# Altium PCB DRS4-PCB.PcbDoc (part 5 of 15)
Units mil, origin at the board's own origin, x right, y up, seen from the top; angles counter-clockwise.
Board outline 12350 x 7411.06 mil, 12 copper layers (Top Layer, Ground Layer 2, Signal Layer 3, Signal Layer 4, Ground Layer 5, Power Layer 6, Ground Layer 7, Ground Layer 8, Power Layer 9, Power Layer 10, Ground Layer 11, Bottom Layer), stack 61.6 mil thick; 1411 components, 1117 nets, 4255 pads, 2550 vias.
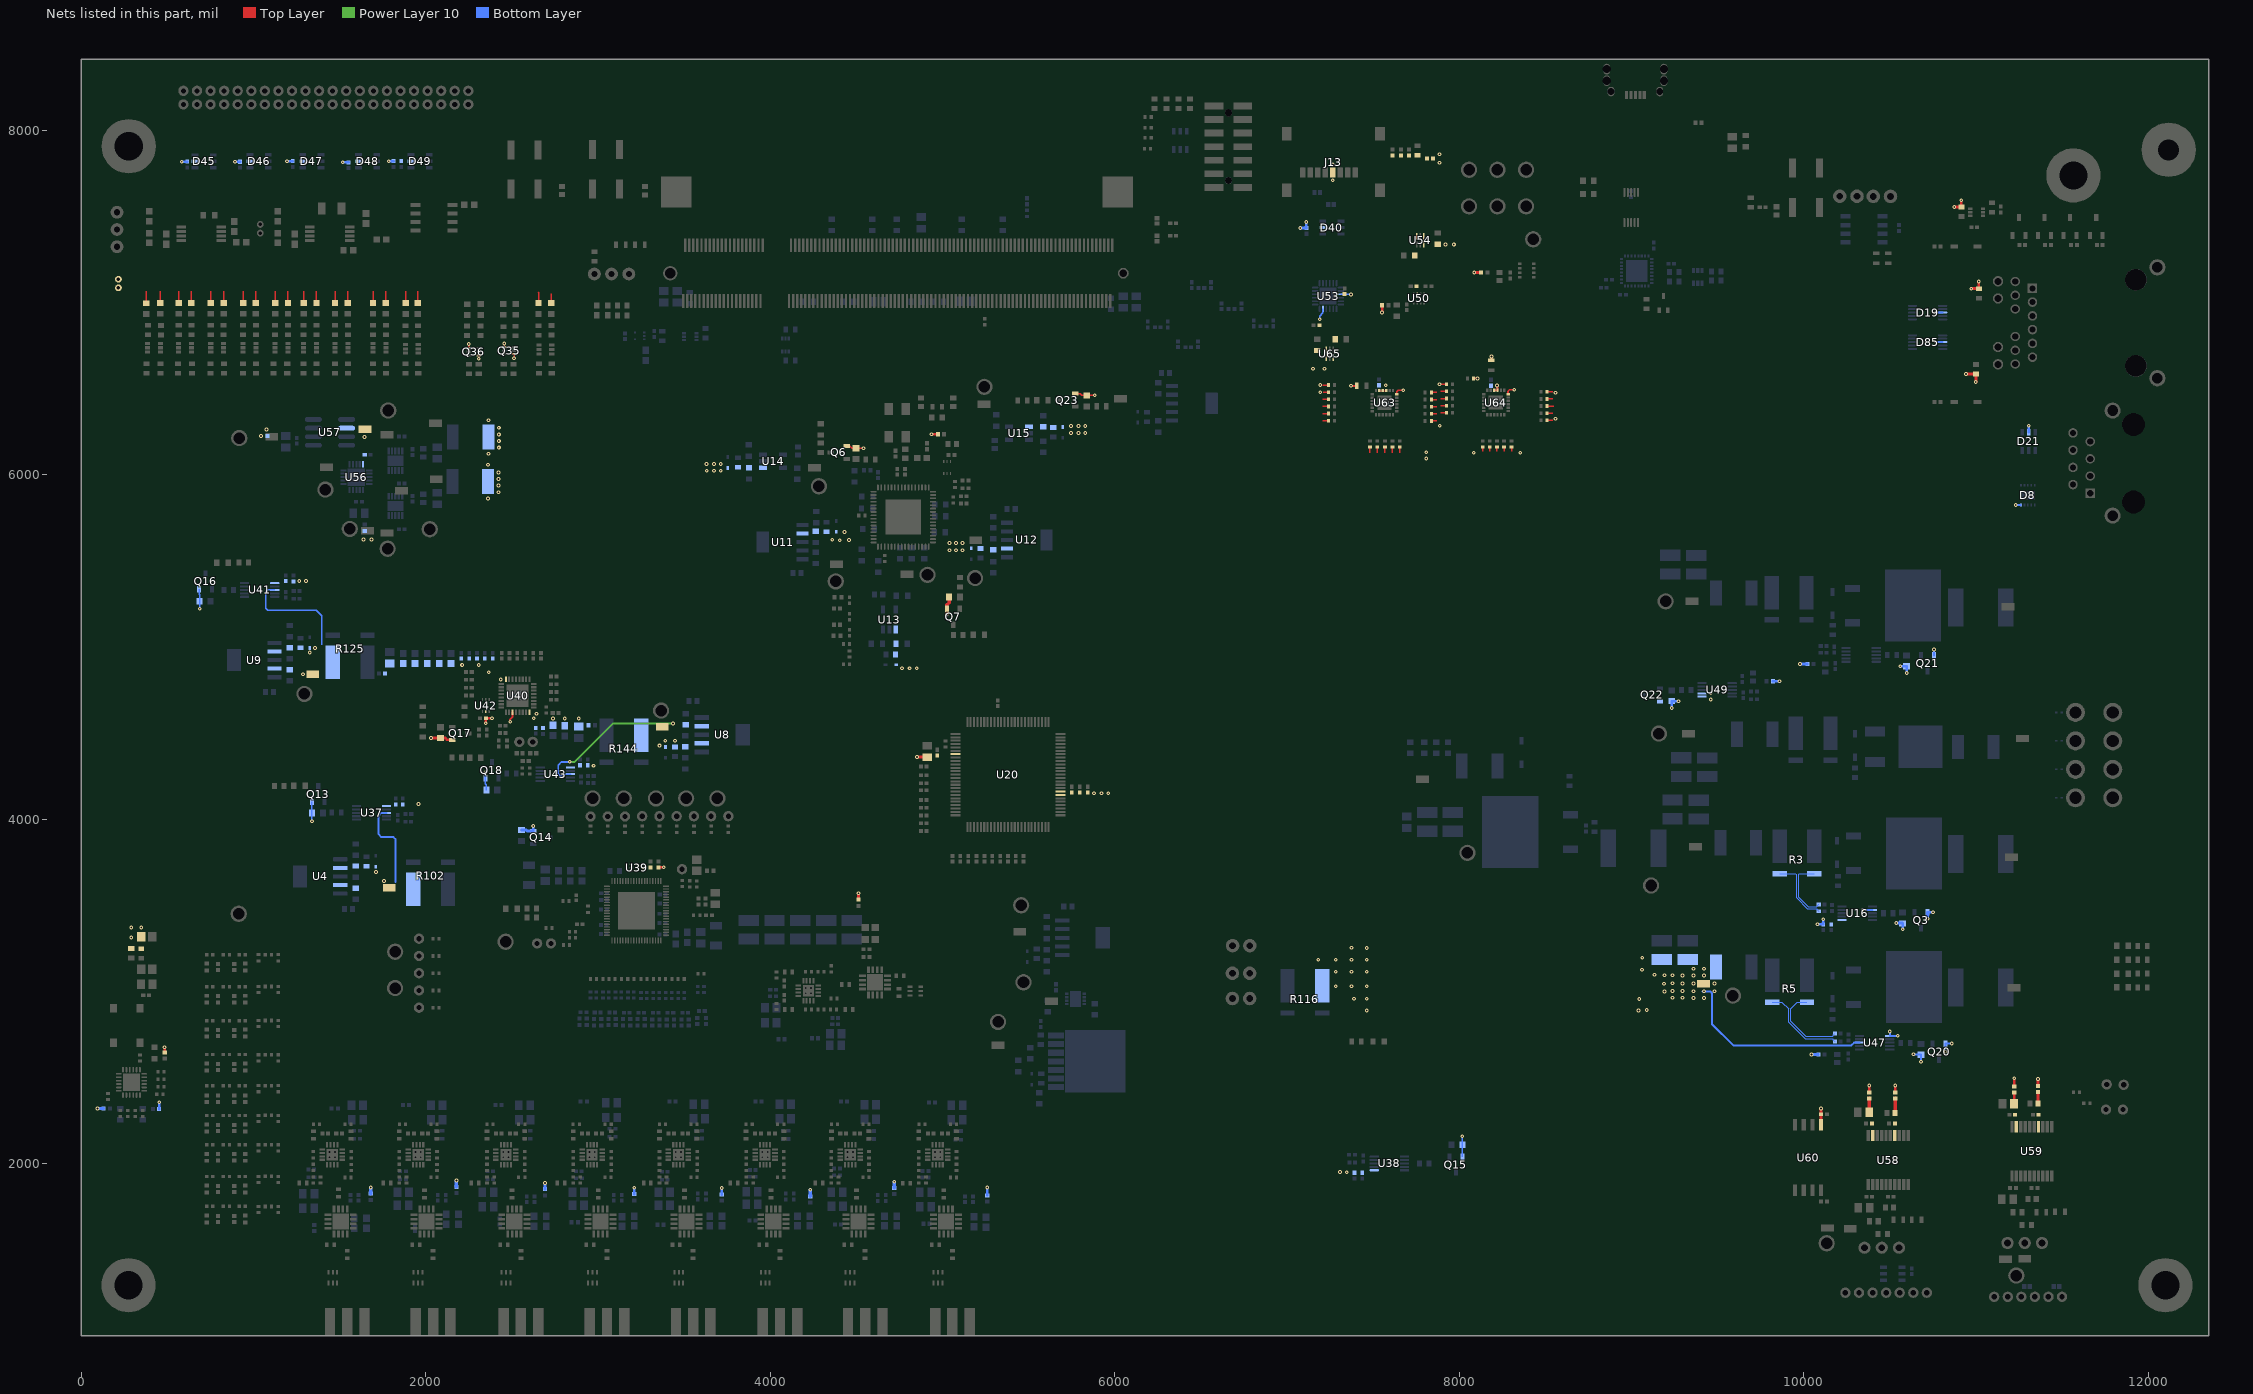
[diagram p15: the nets of this part, all layers, seen from the top]

## Footprints (in the part's own frame and the unit in brackets; to place one, negate y for a bottom-side part, rotate by r counter-clockwise, add the part's x,y. Pads: shape width x height; smd on the part's side, far side on the other; paste and mask are expansions set on the pad) (continued)
Si5395 [mm]
  oval 0.9x0.25 smd: 1(-4.375,3.75) 2(-4.375,3.25) 3(-4.375,2.75) 4(-4.375,2.25) 5(-4.375,1.75) 6(-4.375,1.25) 7(-4.375,0.75) 8(-4.375,0.25) 9(-4.375,-0.25) 10(-4.375,-0.75) 11(-4.375,-1.25) 12(-4.375,-1.75) 13(-4.375,-2.25) 14(-4.375,-2.75) 15(-4.375,-3.25) 16(-4.375,-3.75) 33(4.375,-3.75) 34(4.375,-3.25) 35(4.375,-2.75) 36(4.375,-2.25) 37(4.375,-1.75) 38(4.375,-1.25) 39(4.375,-0.75) 40(4.375,-0.25) 41(4.375,0.25) 42(4.375,0.75) 43(4.375,1.25) 44(4.375,1.75) 45(4.375,2.25) 46(4.375,2.75) 47(4.375,3.25) 48(4.375,3.75)
  oval 0.25x0.9 smd: 17(-3.75,-4.375) 18(-3.25,-4.375) 19(-2.75,-4.375) 20(-2.25,-4.375) 21(-1.75,-4.375) 22(-1.25,-4.375) 23(-0.75,-4.375) 24(-0.25,-4.375) 25(0.25,-4.375) 26(0.75,-4.375) 27(1.25,-4.375) 28(1.75,-4.375) 29(2.25,-4.375) 30(2.75,-4.375) 31(3.25,-4.375) 32(3.75,-4.375) 49(3.75,4.375) 50(3.25,4.375) 51(2.75,4.375) 52(2.25,4.375) 53(1.75,4.375) 54(1.25,4.375) 55(0.75,4.375) 56(0.25,4.375) 57(-0.25,4.375) 58(-0.75,4.375) 59(-1.25,4.375) 60(-1.75,4.375) 61(-2.25,4.375) 62(-2.75,4.375) 63(-3.25,4.375) 64(-3.75,4.375)
  rect 5.2x5.2 smd paste-10: 65(0,0)
  silkscreen extent -5.1,-4.65 4.65,5.24, body extent -4.58,-4.58 4.58,4.58, height 0.9
Si53362 [mm] "2:12 CMOS BUFFER (200MHZ), 2:1 L"
  oval 0.8x0.25 smd: 1(-1.875,1.25) 2(-1.875,0.75) 3(-1.875,0.25) 4(-1.875,-0.25) 5(-1.875,-0.75) 6(-1.875,-1.25) 13(1.875,-1.25) 14(1.875,-0.75) 15(1.875,-0.25) 16(1.875,0.25) 17(1.875,0.75) 18(1.875,1.25)
  oval 0.25x0.8 smd: 7(-1.25,-1.875) 8(-0.75,-1.875) 9(-0.25,-1.875) 10(0.25,-1.875) 11(0.75,-1.875) 12(1.25,-1.875) 19(1.25,1.875) 20(0.75,1.875) 21(0.25,1.875) 22(-0.25,1.875) 23(-0.75,1.875) 24(-1.25,1.875)
  rect 2.55x2.55 smd paste-10: 25(0,0)
  silkscreen extent -2.88,-2.1 2.1,2.1, body extent -2,-2 2,2, height 0.9
SOD123 [mm]
  rect 1.111x0.601 smd paste+0 mask+0: 1(-1.725,0) 2(1.725,0)
  silkscreen extent -1.55,-0.8 1.55,0.8, body extent -1.92,-0.67 1.93,0.68, height 0.81
SPDT_C&K_KSC421J70SHLFSPF_50mA [mm]
  rect 2.8x1 smd: 1(0,-4) 2(5.8,-4) 3(5.8,0) 4(0,0)
  body extent -0.5,-5.14 6.3,1.16, height 5.2
SRes_KOA_PSG4NTEB1L00F_1mOhm [mm]
  rect 2.1x4.95 smd: 1(2.532,-1.654) 2(-2.582,-1.654)
  rect 2.1x0.8 smd: 3(-2.582,2.346) 4(2.532,2.346)
TAYO-FBMH4532-2_V [mm] "SMD, 2-Leads, Body 4.9x3.5mm, Height 3.5mm"
  rect 1.75x3.7 smd: 1(-2.625,0) 2(2.625,0)
  silkscreen extent -4.18,-1.75 1.35,1.75, body extent -2.45,-1.75 2.45,1.75, height 3.5
TCXO_Murata_XTCLH50M000CHJA3P0_50MHz [mm] "TCXO Oscillators 50MHz 5x3.2x1.5mm 0.28ppm max Crystal"
  rect 1.75x1.25 smd: 1(-2,-1.23) 4(2.1,-1.23) 5(2.1,1.23) 8(-2,1.23)
  silkscreen extent -3.03,-2.52 -2.82,-2.31, body extent -2.75,-1.9 2.85,1.9, height 0.45
TDK_MHQ1005PR51GT000_0 [mm]
  rect 0.5x0.5 smd paste+0 mask+0: 1(-0.45,0) 2(0.45,0)
  silkscreen extent 0,-0.4 0,0.4, body extent -0.5,-0.25 0.5,0.25, height 0.48
TDK_MLF1005GR47JT000_0 [mm]
  rect 0.5x0.5 smd paste+0 mask+0: 1(-0.45,0) 2(0.45,0)
  silkscreen extent 0,-0.4 0,0.4, body extent -0.5,-0.25 0.5,0.25, height 0.48
TDK_MLZ1608M100WT_0 [mm]
  rect 0.6x0.8 smd paste+0 mask+0: 1(-0.7,0) 2(0.7,0)
  silkscreen extent 0,-0.4 0,0.4, body extent -0.8,-0.4 0.8,0.4, height 0.6
TI-DCQ6_N [mm] "SOT223, 6-Leads, Body 6.5x3.5mm, Pitch 1.27mm, IPC Medium Density"
  rect 2.15x0.7 smd: 1(-3.025,2.54) 2(-3.025,1.27) 3(-3.025,0) 4(-3.025,-1.27) 5(-3.025,-2.54)
  rect 2.15x3.2 smd: 6(3.025,0)
  silkscreen extent -3.15,-3.3 1.65,3.56, body extent -1.78,-3.27 1.78,3.27, height 1.8
TMP112AIDRLR [mm] "Board Mount Temperature Sensors Hi-Prec Lo-Pwr Dig Temp Sensor"
  rrect50% 0.45x0.2 smd: 1(-0.875,0.5) 2(-0.875,0) 3(-0.875,-0.5) 4(0.875,-0.5) 5(0.875,0) 6(0.875,0.5)
  silkscreen extent -1.51,-0.85 0.25,1.43, body extent -0.65,-0.85 0.65,0.85, height 0.6
TP_Harwin_S2761_46R#1 [mm]
  rect 1.9x1.1 smd far side paste+0.1: 1(0,0)
TP_Harwin_S2761_46R#2 [mm]
  rect 1.9x1.1 smd paste+0.1: 1(0,0)
TP_Harwin_S2761_46R#3 [mm]
  rect 1.9x1.1 smd far side paste+0.1: 1(0,-0.504)
TP_Harwin_S2761_46R#4 [mm]
  rect 1.9x1.1 smd far side paste+0.1: 1(2.75,0)
TP_Harwin_S2761_46R#5 [mm]
  rect 1.9x1.1 smd far side paste+0.1: 1(0.477,0)
TP_Harwin_S2761_46R#6 [mm]
  rect 1.9x1.1 smd far side paste+0.1: 1(0,-0.555)
TP_Harwin_S2761_46R#7 [mm]
  rect 1.9x1.1 smd far side paste+0.1: 1(-0.44,0)
TP_Harwin_S2761_46R#8 [mm]
  rect 1.9x1.1 smd far side paste+0.1: 1(0,1.028)
TP_Harwin_S2761_46R#9 [mm]
  rect 1.9x1.1 smd paste+0.1: 1(0.26,0)
TP_Harwin_S2761_46R#10 [mm]
  rect 1.9x1.1 smd far side paste+0.1: 1(0,10.612)
TP_Harwin_S2761_46R#11 [mm]
  rect 1.9x1.1 smd far side paste+0.1: 1(-17.502,-14.578)
TP_Harwin_S2761_46R#12 [mm]
  rect 1.9x1.1 smd far side paste+0.1: 1(0,-0.116)
TP_Harwin_S2761_46R#13 [mm]
  rect 1.9x1.1 smd far side paste+0.1: 1(2.663,4.032)
TP_Harwin_S2761_46R#14 [mm]
  rect 1.9x1.1 smd far side paste+0.1: 1(0.032,0.901)
TP_Harwin_S2761_46R#15 [mm]
  rect 1.9x1.1 smd paste+0.1: 1(-11.512,-15.107)
TP_Harwin_S2761_46R#16 [mm]
  rect 1.9x1.1 smd paste+0.1: 1(0.234,-0.004)
TP_Harwin_S2761_46R#17 [mm]
  rect 1.9x1.1 smd far side paste+0.1: 1(0,1.016)
TP_Harwin_S2761_46R#18 [mm]
  rect 1.9x1.1 smd paste+0.1: 1(0,-0.02)
TP_Harwin_S2761_46R#19 [mm]
  rect 1.9x1.1 smd paste+0.1: 1(0.102,0)
TP_Harwin_S2761_46R#20 [mm]
  rect 1.9x1.1 smd paste+0.1: 1(-0.22,-0.16)
TP_Harwin_S2761_46R#21 [mm]
  rect 1.9x1.1 smd paste+0.1: 1(0.258,0)
TP_Harwin_S2761_46R#22 [mm]
  rect 1.9x1.1 smd paste+0.1: 1(-3.101,3.265)
TP_Keystone_Electronics_5006 [mm]
  round 2.4 hole 1.7: 1(0,0)
  body extent -1.59,-1.59 1.59,1.58, height 5.52
TP_TE_Connectivity_5-146280-1_1POS#1 [mil]
  round 60 hole 30: 1(-4.11,10.59)
TP_TE_Connectivity_5-146280-1_1POS#2 [mil]
  round 60 hole 30: 1(1.1,0)
TP_TE_Connectivity_5-146280-1_1POS#3 [mil]
  round 60 hole 30: 1(-3.5,0)
TP_TE_Connectivity_5-146280-1_1POS#4 [mil]
  round 60 hole 30: 1(0,-0.39)
TP_TE_Connectivity_5-146280-1_1POS#5 [mil]
  round 60 hole 30: 1(-51.72,2.05)
TP_TE_Connectivity_5-146280-1_1POS#6 [mil]
  round 60 hole 30: 1(-48.06,0)
TP_TE_Connectivity_5-146280-1_1POS#7 [mil]
  round 60 hole 30: 1(-0.73,-0.74)
TP_TE_Connectivity_5-146280-1_1POS#8 [mil]
  round 60 hole 30: 1(2.02,-0.01)
TP_TE_Connectivity_5-146280-1_1POS#9 [mil]
  round 60 hole 30: 1(-5.28,9.13)
TP_TE_Connectivity_5-146280-1_1POS#10 [mil]
  round 60 hole 30: 1(-0.01,0)
TP_TE_Connectivity_5-146280-1_1POS#11 [mil]
  round 60 hole 30: 1(1.42,0.01)
TP_TE_Connectivity_5-146280-1_1POS#12 [mil]
  round 60 hole 30: 1(103.03,0.02)
TP_TE_Connectivity_5-146280-1_1POS#13 [mil]
  round 60 hole 30: 1(67.4,0.72)
TP_TE_Connectivity_5-146280-1_1POS#14 [mil]
  round 60 hole 30: 1(82,0)
TP_TE_Connectivity_5-146280-1_1POS#15 [mil]
  round 60 hole 30: 1(7.44,0)
TP_TE_Connectivity_5-146280-1_1POS#16 [mil]
  round 60 hole 30: 1(-15.96,33.37)
TP_TE_Connectivity_5-146280-1_1POS#17 [mil]
  round 60 hole 30: 1(108.6,120.21)
TP_TE_Connectivity_5-146280-1_1POS#18 [mil]
  round 60 hole 30: 1(37.5,-1.34)
TP_TE_Connectivity_5-146280-1_1POS#19 [mil]
  round 60 hole 30: 1(-25.32,0.74)
TP_TE_Connectivity_5-146280-1_1POS#20 [mil]
  round 60 hole 30: 1(100.42,0)
USB_Molex_204926-1103 [mm]
  rect 0.45x1.2 smd: 1(-1.3,0.3) 2(-0.65,0.3) 3(0,0.3) 4(0.65,0.3) 5(1.3,0.3)
  oval 1x1.6 hole 1.2 slot 0.5 at 0 deg: 6(-4.2,-1.8) 6(-4.2,-3.5) 6(4.225,-1.8) 6(4.225,-3.5)
  oval 1x1.4 hole 1 slot 0.6 at 0 deg: 6(-3.6,-0.2) 6(3.6,-0.2)
  body extent -4.63,-6.51 4.67,0.49, height 3.95
XTAL_ASDM1-25.000MHZ-LC-T [mm]
  rect 1.2x1 smd: 1(-2.54,-1.95) 2(2.54,-1.95) 3(2.54,1.95) 4(-2.54,1.95)
  silkscreen extent -3.7,-3.09 3.7,3, body extent -3.3,-2.6 3.3,2.6, height 2

## Part data
C1 C2 C3 C4 C5 C6 C7 C8 C9 C35 C36 C57 C58 C66 C110: "Tantalum Capacitors - Polymer SMD 25V 22uF 1311 20% ESR=100mOhms", Capacitance="22uF 25V 1411", Supplier Part Number 1=80-T521B226M25ATE100, Supplier 1=Mouser
C10 C12 C13 C14 C15 C17 C18 C19 C20 C21 C22 C27 C29 C30 C31 C33 C34 C37 C38 C39 C41 C42 C44 C45 C46 C47 C49 C50 C51 C53 C55 C56 C119 C122 C255 C368 C369 C370: "CAP CER 4.7uF 35V X5R 0603", Capacitance="4.7uF X5R 35V 0603", Supplier Part Number 1=81-ZRB18AR6YA475ME5L, Supplier 1=Mouser
C11 C16 C28 C32 C40 C43 C48 C52 C54 C71 C76 C92 C93 C253 C261 C264 C265 C269 C272 C341 C344 C358 C360 C362 C364 C371: "CAP CER 10nF 50V X7R 0603", Capacitance="10nF X7R 50V 0603", Digikey Part Number=399-1092-1-ND, Manufacturer=Kemet, Mfg Package Ident=C0603, Mouser Part Number=80-C0603C103J5R, Part Number=C0603C103J5RACTU, Temperature="-55°C to +125°C", Temperature Range High=+125°C, Temperature Range Low=-55°C, Voltage=50V, ComponentLink1Description=Upverter, ComponentLink1URL=https://upverter.com/upn/revision/8a8d0c297e33ac74/, ComponentLink2Description=Datasheet, ComponentLink2URL=https://content.kemet.com/datasheets/KEM_C1002_X7R_SMD.pdf, Digikey Description="CAP CER 10000PF 50V X7R 0603", helpURL=https://upverter.com/upn/revision/8a8d0c297e33ac74/, Lead Free=yes, Package=C0603, Price=0.0184203126773, RoHS=TRUE, Supplier 1=Digi-Key, Supplier 2=Mouser, Supplier Part Number 1=399-1092-1-ND, Supplier Part Number 2=80-C0603C103J5R
C23 C24 C25 C59 C60 C61 C62 C63 C64 C85 C86 C87 C88 C89 C90 C91 C106 C107 C108 C109 C113 C115 C116 C117 C118 C134 C135 C136 C137 C141 C143 C144 C145 C146 C147 C148 C149 C155 C156 C157 C158 C159 C161 C162 C163 C164 C165 C169 C171 C172 C173 C174 C175 C176 C177 C178 C179 C180 C181 C182 C185 C187 C188 C189 C192 C193 C197 C199A C199B C199C C199D C199E C199F C199G C199H C200A C200B C200C C200D C200E C200F C200G C200H C201A C201B C201C C201D C201E C201F C201G C201H C202A C202B C202C C202D C202E C202F C202G C202H C205A C205B C205C C205D C205E C205F C205G C205H C208A C208B C208C C208D C208E C208F C208G C208H C216A C216B C216C C216D C216E C216F C216G C216H C217A C217B C217C C217D C217E C217F C217G C217H C219A C219B C219C C219D C219E C219F C219G C219H C222 C223 C224 C225 C228 C231 C239 C240 C242 C249 C250 C251 C252 C256 C257 C258 C259 C260 C262 C263 C267 C268 C270 C271 C273 C274 C275 C276 C282 C283 C284 C290 C329 C330 C331 C332 C333 C334 C336 C338 C339 C342 C345 C346 C347 C348 C350 C352 C353 C355 C357 C359 C361 C363: "CAP CER 100nF 25V X7R 0402", Capacitance="100nF 25V X7R 0402", Supplier Part Number 1=963-TMK105B7104KV-FR, Supplier 1=Mouser
C26 C123 C124 C125 C170: "Multilayer Ceramic Capacitors MLCC - SMD/SMT 0402 20pF 50Volts C0G 2%", Capacitance="20pF 50V 0402", Supplier Part Number 1=81-GJM1555C1H200GB01, Supplier 1=Mouser
C65: library part CMP-1035-02763-1, "CAP 2.2uF 16V ±10% 0603 (1608 Metric) Thickness 1mm SMD", Capacitance="2.2uF 16V X5R 0603", Case-EIA=0603, Case-Metric=1608, Rated Voltage="16 V", Tolerance=Â±10%, Max Thickness="1 mm", Technology=SMT
C67 C72 C77 C81 C111 C112 C114 C120 C121 C142 C150 C160 C183 C198 C203A C203B C203C C203D C203E C203F C203G C203H C204A C204B C204C C204D C204E C204F C204G C204H C206A C206B C206C C206D C206E C206F C206G C206H C207A C207B C207C C207D C207E C207F C207G C207H C226 C227 C229 C230 C254 C289 C335 C337 C340 C343 C349 C351 C354 C356: "CAP CER 10uF 25V X7R 0805", Capacitance="10uF X7S 25V 0805", Supplier Part Number 1=81-GRM21BC71E106ME1L, Supplier 1=Mouser
C68 C69 C70 C73 C74 C75 C78 C79 C80 C82 C83 C84 C94 C95 C96 C97 C98 C99 C100 C101 C102 C103 C104 C105 C131 C139 C266 C277 C286 C287 C288 C372 C373 C374: "CAP CER 1uF 25V X7R 0603", Capacitance="1uF X7R 25V 0603", Supplier Part Number 1=81-GCJ188R71E105KA1J, Supplier 1=Mouser
C126: library part CMP-03020-007524-1, "CAP CER 5600PF 50V X7R 0402 / C0402C562K5RACTU", Capacitance="5,600 pF", Manufacturer=Kemet, Manufacturer Part Number=C0402C562K5RACTU, Package=C0402-BB, Temperature="-55°C to +125°C", Temperature Characteristic=X7R, Temperature Coefficient=15%, Temperature Range High=+125°C, Temperature Range Low=-55°C, Tolerance=0.1, Voltage Rating="50 V", Automotive=No, Category=Cap, ComponentLink2Description=Datasheet, ComponentLink2URL=https://content.kemet.com/datasheets/KEM_C1002_X7R_SMD.pdf, Device Class L1="Passive Components", Device Class L2=Capacitors, Device Class L3="Ceramic Capacitors", Digikey Description="CAP CER 5600PF 50V X7R 0402", Height=0.55mm, Ipc Land Pattern Name=CAPC10050X50, Lead Free=Yes, Material=Ceramic, Mouser Description="Multilayer Ceramic Capacitors MLCC - SMD/SMT 50volts 5600pF X7R 10%", Octopart=https://octopart.com/c0402c562k5ractu-kemet-98458, RoHS=TRUE
C127 C129 C130 C132: "CAP CER 100nF 50V X7R 0603", Capacitance="100nF X7R 50V 0603", Supplier Part Number 1=80-C0603C104M5RAUTO, Supplier 1=Mouser
C128: "CAP CER 10uF 25V X7R 1206", Capacitance="10uF X7R 25V 1206", Supplier Part Number 1=81-GRM31CR71E106MA2L, Supplier 1=Mouser
C133: "Multilayer Ceramic Capacitors MLCC - SMD/SMT 0402 50VDC 12pF 1% AEC-Q200", Capacitance="12pF C0G 50V 0402", Supplier Part Number 1="81-GCQ1555C1H120FB1D  81-GCQ1555C1H120FB1D", Supplier 1=Mouser
C138 C291 C292: "CAP CER 22uF 25V X5R 0805", Capacitance="22uF X5R 25V 0805", Supplier Part Number 1=81-GRT21BR61E226ME3L, Supplier 1=Mouser
C140 C285: library part CMP-1035-02189-1, "CAP 4.7nF 10V ±10% 0603 (1608 Metric) Thickness 1mm SMD", Case-EIA=0603, Case-Metric=1608, Rated Voltage="10 V", Tolerance=Â±10%, Max Thickness="1 mm", Technology=SMT
C151 C166: "CAP CER 100uF 25V X5R 0603", Capacitance="100uF X5R 10V 0603", Supplier Part Number 1=81-GRM31CR61A107ME5L, Supplier 1=Mouser
C152 C153 C154 C167 C168: "CAP CER 100pF 50V X7R 0603", Capacitance="100pF X7R 50V 0603", Supplier Part Number 1=80-C0603C101J5R, Supplier 1=Mouser
C184 C186 C190 C191 C194 C195 C196 C215: "CAP CER 1nF 50V X7R 0603", Capacitance="1nF X7R 50V 0603", Supplier Part Number 1=80-C0603C102J5RAUTO, Supplier 1=Mouser
C209A C209B C209C C209D C209E C209F C209G C209H C210A C210B C210C C210D C210E C210F C210G C210H C211A C211B C211C C211D C211E C211F C211G C211H C212A C212B C212C C212D C212E C212F C212G C212H C213A C213B C213C C213D C213E C213F C213G C213H C214A C214B C214C C214D C214E C214F C214G C214H C232 C233 C234 C235 C236 C237: "CAP CER 220nF 50V X7R 0402", Capacitance="220nF X7R 25V 0402", Supplier Part Number 1=810-C1005X7R1E224KBE, Supplier 1=Mouser
C218A C218B C218C C218D C218E C218F C218G C218H C220A C220B C220C C220D C220E C220F C220G C220H C241 C243: "CAP CER 470nF 25V X7R 0603", Capacitance="470nF X7R 25V 0603", Supplier Part Number 1=710-885012206075, Supplier 1=Mouser
C245 C248 C293 C296 C297 C300 C301 C304 C305 C308 C309 C312 C313 C316 C317 C320 C321 C324 C325 C328: "CAP 150pF 50V C0G ±1% 0402 (1000 Metric) Thickness 1mm SMD", Capacitance="150pF 50V C0G 0402", Supplier Part Number 1=810-CGA2B2C0G2A151J0, Supplier 1=Mouser
C246 C247 C294 C295 C298 C299 C302 C303 C306 C307 C310 C311 C314 C315 C318 C319 C322 C323 C326 C327: "CAP 270pF 50V C0G ±1% 0402", Capacitance="270pF 50V C0G 0402", Supplier Part Number 1=81-GCM1555C1H271FA6D, Supplier 1=Mouser
D1 D2 D3 D4: "Transient Voltage Suppressor, Micro-Packaged Diode for ESD Protection, 2-Pin SOD-923, Pb-Free, Tape and Reel", Manufacturer="On Semiconductor", Supplier Part Number 1=863-ESD9B5.0ST5G, ComponentLink1Description="Manufacturer URL", ComponentLink1URL=http://www.onsemi.com/, ComponentLink2Description=Datasheet, ComponentLink2URL=http://www.onsemi.cn/pub_link/Collateral/ESD9B-D.PDF, ComponentLink3Description="Package Specification", ComponentLink3URL=http://www.onsemi.com/pub_link/Collateral/514AB.PDF, DatasheetVersion="Rev. 2", Direction=Bidirectional, IR Max (uA)=1, Mounting Technology="Surface Mount", Number of Lines=1, PackageDescription="2-Pin SOD, Body 0.8 x 0.6 mm", PackageReference=SOD-923-2-514AB-01, PackageVersion="Rev. C, 03/2011", Packing="Tape and Reel", PartNumber=ESD9B5.0ST5G, RoHS=Pb-Free, Supplier 1=Mouser, V(BR) Min (V)=5.8, VRWM Max (V)=5
D5 D6 D7 D9 D10 D11 D12 D13 D14 D15 D79: "Diodes - General Purpose, Power, Switching SINGLE JUNC. 75V 4.0NS COMP", Supplier Part Number 1=512-1N4148WT, Series=1N4148, Supplier 1=Mouser
D8: "ESD Suppressors / TVS Diodes 4CH 20A 3.3V 3.5pF Lightning Protection", Supplier Part Number 1=576-SP3304NUTG, Series=SP3304NUTG, Supplier 1=Mouser
D16 D18: "Standard LEDs - SMD Green 470nm 28mcd 20mA", Supplier Part Number 1=859-LTSTC193KGKT5A, Series=LTST-C193KGKT-5A, Supplier 1=Mouser
D17 D22 D23 D24 D25 D26 D27 D28 D29 D36 D37 D38 D39: library part Led_Lite-On_LTST-C193KGKT-5A_Red, "Standard LEDs - SMD Red 470nm 28mcd 20mA", Supplier Part Number 1=859-LTSTC193KRKT5A, Series=LTST-C193KRKT-5A, Supplier 1=Mouser
D19 D32 D85: "ESD Suppressors / TVS Diodes 4 Ch 8kV 0.65pF SPA", Supplier Part Number 1=576-SP3003-04ATG, Series=SP3003-04ATG, Supplier 1=Mouser
D20 D21 D40 D45 D46 D47 D48 D49 D78: "ESD Suppressors / TVS Diodes 5.5V QUAD R-R ESD ULTRA LOW CAP", Supplier Part Number 1=771-PRTR5V0U4D-T/R, Supplier 1=Mouser
D30A D30B D30C D30D D30E D30F D30G D30H D31: library part CMP-1176-00030-1, "Silicon Switching Diode, SOT363, Reel, Green", Manufacturer=Infineon, ComponentLink1Description="Manufacturer URL", ComponentLink1URL=http://www.infineon.com/, ComponentLink2Description=Datasheet, ComponentLink2URL=http://www.infineon.com/dgdl/bav99series.pdf?folderId=db3a30431400ef6801141b5844e103ea&fileId=db3a30431400ef6801141c1b237d042f, ComponentLink3Description="Package Specification", ComponentLink3URL=http://www.infineon.com/dgdl/SOT363-Package_Overview.pdf?folderId=db3a30431936bc4b01195360bd8f3cdc&fileId=db3a30431936bc4b0119536b62bf3cf5, Configuration=Quadruple, Green=TRUE, Halogen-free=TRUE, IF (max)="200Â mA", IR (max)="150Â nA", Mounting Technology="Surface Mount", PackageDescription="6-Pin Small Outline Transistor Package, 1.25 x 2 mm Body", PackageReference=SOT363, PartNumber=BAV99S, trr (max)="4Â ns", VBR (min)="85Â V", VF (max)="1.25Â V", VR (max)="80Â V"
D33: "ESD Suppressors / TVS Diodes SO-8 5V 500W Low Capacitance", Supplier Part Number 1=652-CDNBS08-SRDA05-4, Supplier 1=Mouser
D34 D35 D50 D51 D52 D53 D54 D55 D56 D57 D58 D59 D60 D61 D62 D63 D64 D65 D66 D67 D70 D71 D72 D73 D74 D75: "Standard LEDs - SMD Blue 470nm 28mcd 20mA", Supplier Part Number 1=859-LTSTC193TBKT5A, Series=LTST-C193TBKT-5A, Supplier 1=Mouser
D41 D42 D43 D44 D76 D77: "ESD Suppressors / TVS Diodes 5V 12A 30KV UNI-DIR", Supplier Part Number 1=576-SP1212-01ETG, Series=SP1212-01ETG, Supplier 1=Mouser
D68 D69 D80 D81 D82 D83 D84: "Zener Diodes 500mW 4.3V Zener AEC-Q101 Qualified", Supplier Part Number 1=621-BZT52C4V3-F, Built_By=EMA_UL_Team, C="Copyright (C) 2015 Accelerated Designs. All rights reserved", Manufacturer_Part_Number=BZT52C4V3-7-F, RefDes=RefDes, Series=BZT52C4V3-7-F, Supplier 1=Mouser, Type=DEV, Vendor="Diodes Inc"
F1 F2 F3 F5: library part 0ZCF0300BF2C, "Resettable Fuses - PPTC 3A 24V PPTC 2920 SMD", Supplier Part Number 1=530-0ZCF0300BF2C, Supplier 1=Mouser, Supplier 2=Digi-Key, Supplier Part Number 2=507-2072-6-ND
  F1 F3 F5: Series=0ZCF0300BF2C
F4: library part 0ZCG0200AF2B, "2A hold, 3.5A trip", Supplier Part Number 1=530-0ZCG0200AF2B, Series=0ZCG0200AF2B, Supplier 1=Mouser, Supplier 2=Digi-Key, Supplier Part Number 2=507-2074-6-ND
FB1 FB8 FB11 FB16 FB17A FB17B FB17C FB17D FB17E FB17F FB17G FB17H FB18A FB18B FB18C FB18D FB18E FB18F FB18G FB18H FB19A FB19B FB19C FB19D FB19E FB19F FB19G FB19H FB20 FB21 FB22 FB23 FB24 FB25 FB26 FB27 FB28 FB29 FB30 FB31 FB32 FB33 FB34 FB35: library part FB_Wurth_Electronics_742792731_100Ohms, "FB SMD 100 OHM 25% 1.2A 0402", DC Resistance=90mOhm, Measuring Frequency=100MHz, Supplier Part Number 1=710-742792731, Impedance="100 Ohm", Supplier 1=Mouser
FB2 FB3 FB4 FB5 FB6 FB13 FB14: "Chip Bead Inductor for Power Lines, 680 Ohm, 4 A, -40 to 125 degC, 2-Pin 4.5 x 3.2 x 3.5 mm SMD, RoHS, Taping", DC Resistance="0.028 Ohm Max.", Impedance Tolerance="+/- 25%", Manufacturer="Taiyo Yuden", Measuring Frequency="100 MHz", Rated Current="4 A Max.", Supplier Part Number 1=587-1761-6-ND, Temperature Range="-40 to 125 degC", ComponentLink1Description="Manufacturer URL", ComponentLink1URL=http://www.t-yuden.com/, ComponentLink2Description=Datasheet, ComponentLink2URL=http://www.yuden.co.jp/productdata/catalog/en/chipbeads01_e.pdf, ComponentLink3Description="Package Specification", ComponentLink3URL=http://www.yuden.co.jp/productdata/catalog/en/chipbeads01_e.pdf, DatasheetVersion=09/2014, Mounting Technology="Surface Mount", Nominal Impedance="680 Ohm", PackageDescription="2-Pin Surface Mount Device, Body 4.5 x 3.2 mm, Height 3.5 mm", Packing=Taping, PartNumber=FBMH4532HM681-T, RoHS=TRUE, Supplier 1=Digi-Key
FB7 FB9: library part Feb_MURATA_BLM15AX300SZ1D_30, "Feb SMD 30 OHM 25% 3/4W 0402", Supplier Part Number 1=81-BLM15AX300SZ1D, Supplier 1=Mouser
FB10 FB12: "FB SMD 1000 OHM 25% 3/4W 0402", Supplier Part Number 1=81-BLM15AX102SZ1D, Supplier 1=Mouser
J1: "Modular Connectors / Ethernet Connectors 1 PORT CAT 5", Supplier Part Number 1=571-5406299-1, Supplier 1=Mouser
J2: "Headers & Wire Housings RA HDR W/O PEGS 8P", Supplier Part Number 1=571-15860418, Series=1586041-8, Supplier 1=Mouser
J3 J4 J5 J11 J20: "Headers & Wire Housings 2P SINGLE ROW 5A", Supplier Part Number 1=571-826936-2, Series=826936-2, Supplier 1=Mouser
J6 J21: "Headers & Wire Housings UNSHRD VERT SNGL 3", Supplier Part Number 1=571-872243, Supplier 1=Mouser
J7: "DIMM Connectors DDR2 SODIMM 200P STANDARD HOUSING", Supplier Part Number 1=571-1473005-4, Series=1473005-4, Supplier 1=Mouser
J8: "Headers & Wire Housings 14P SMD PB FREE SHRD", Supplier Part Number 1=538-87832-1420, Series=87832-1420, Supplier 1=Mouser
J10A J10B J10C J10D J10E J10F J10G J10H: library part CMP-0168-00046-1, DatasheetVersion="rev1.0, Jun-2006", PackageReference=CON-SMA-EDGE062, PackageVersion="rev1.0, Jun-2006", PCB_Layout="Pads complies with manufacturer's recommendation."
J12: library part USB_Molex_204926-1103, "USB Connectors MicroUSB B Rec SMT WOut Flange WtrProf", Supplier Part Number 1=538-204926-1103, Series=204926-1103, Supplier 1=Mouser
J13: "CONN MICRO SD CARD HINGED TYPE", Digikey Part Number=WM6698CT-ND, Manufacturer=Molex, Mouser Part Number=538-47219-2001, Package=SMT_SDCARD_14MM5_13MM6, Part Number=47219-2001, Temperature="-20°C to +85°C", Temperature Range High=+85°C, Temperature Range Low=-20°C, ComponentLink1Description=Upverter, ComponentLink1URL=https://upverter.com/upn/revision/cf639670a30b6b80/, ComponentLink2Description=Datasheet, ComponentLink2URL=http://www.molex.com/pdm_docs/sd/472192001_sd.pdf, Digikey Description="CONN MICRO SD CARD HINGED TYPE", helpURL=https://upverter.com/upn/revision/cf639670a30b6b80/, Is Female=yes, Lead Free=yes, RoHS=TRUE, Supplier 1=Digi-Key, Supplier 2=Mouser, Supplier Part Number 1=WM6698CT-ND, Supplier Part Number 2=538-47219-2001
J14: "Headers & Wire Housings VERT HEADER 44P Lead Free", Supplier Part Number 1=538-87758-4416, Series=87758-4416, Supplier 1=Mouser
J15 J22: "Headers & Wire Housings 2 WAY SIL VERT PC TAIL P/HDR", Supplier Part Number 1=855-M50-3530242, Supplier 1=Mouser
J16 J17: "Headers & Wire Housings 1X03 POS VERT TIN 5A", Supplier Part Number 1=571-826926-3, Series=826926-3, Supplier 1=Mouser
J18: "Headers & Wire Housings 6 WAY SIL VERT PC TAIL P/HDR", Supplier Part Number 1=855-M22-2510705, Series=M22-2510705, Supplier 1=Mouser
J19: "Headers & Wire Housings 6 WAY SIL VERT PC TAIL P/HDR", Supplier Part Number 1=855-M22-2510605, Series=M22-2510605, Supplier 1=Mouser
L1 L9: library part Ind_TDK_MLZ1608M100WT_eec, "IND 10µH Shielded Multilayer Inductor 250mA 1.365 Ohm Max 0603 (1608 Metric)", Current Rating=250mA, DC Resistance (DCR)="1.365 Ohm Max", Digikey Part Number=445-6389-1-ND, Inductance=10.0µH, Manufacturer=TDK, Mouser Part Number=810-MLZ1608M100WT000, Package="0603 (1608 metric)", Part Number=MLZ1608M100WT, Temperature="-55°C to +125°C", Temperature Range High=+125°C, Temperature Range Low=-55°C, Tolerance=±20%, ComponentLink1Description=Upverter, ComponentLink1URL=https://upverter.com/upn/revision/22fa022ced0eb0ec/, ComponentLink2Description=Datasheet, ComponentLink2URL=https://product.tdk.com/info/en/catalog/datasheets/inductor_commercial_decoupling_mlz1608_en.pdf, Digikey Description="IND 10µH Shielded Multilayer Inductor 250mA 1.365 Ohm Max 0603 (1608 Metric)", helpURL=https://upverter.com/upn/revision/22fa022ced0eb0ec/, Ipc Land Pattern Name=CAPC16080X45, Lead Free=yes, RoHS=TRUE, Supplier 1=Digi-Key, Supplier 2=Mouser, Supplier Part Number 1=445-6389-1-ND, Supplier Part Number 2=810-MLZ1608M100WT000
L2A L2B L2C L2D L2E L2F L2G L2H L3A L3B L3C L3D L3E L3F L3G L3H L4 L5: "Fixed Inductors .22 UH 5%", Inductance="220nH 5% 0402", Supplier Part Number 1=810-MLG1005SR22JT000, Supplier 1=Mouser
L6 L8 L10 L12 L13 L15 L16 L18 L19 L21 L22 L24 L25 L27 L28 L30 L31 L33 L34 L36: library part Ind_TDK_MLF1005GR47JT000, "IND 470nH Shielded Multilayer Inductor 50mA 420 mOhm Max 0402 (1005 Metric)", Current Rating=50mA, DC Resistance (DCR)=420mOhms, Inductance=470nH, Manufacturer=TDK, Package="0402 (1005)", Part Number=MLF1005GR47JT000, Supplier Part Number 1=810-MLF1005GR47JT000, Temperature="-55°C to +125°C", Temperature Range High=+125°C, Temperature Range Low=-55°C, Tolerance=±5%, ComponentLink2Description=Datasheet, ComponentLink2URL=https://product.tdk.com/info/en/catalog/datasheets/inductor_commercial_decoupling_mlz1608_en.pdf, Lead Free=yes, RoHS=TRUE, Supplier 1=Mouser
L7 L11 L14 L17 L20 L23 L26 L29 L32 L35: library part Ind_TDK_MHQ1005PR51GT000, "IND 510nH Shielded Multilayer Inductor 70mA 10.2 Ohm Max 0402 (1005 Metric)", Current Rating=70mA, DC Resistance (DCR)=10.2Ohms, Inductance=510nH, Manufacturer=TDK, Package="0402 (1005)", Part Number=MHQ1005PR51GT000, Supplier Part Number 1=810-MHQ1005PR51GT000, Temperature="-55°C to +125°C", Temperature Range High=+125°C, Temperature Range Low=-55°C, Tolerance=±2%, ComponentLink2Description=Datasheet, ComponentLink2URL=https://product.tdk.com/info/en/catalog/datasheets/inductor_commercial_decoupling_mlz1608_en.pdf, Lead Free=yes, RoHS=TRUE, Supplier 1=Mouser
OP1A OP1B OP1C OP1D OP1E OP1F OP1G OP1H OP2: library part THS4509RGTT, "Imported", Supplier Part Number 1=595-THS4509RGTT, Built_By=EMA_UL_Team, C="Copyright (C) 2015 Accelerated Designs. All rights reserved", Manufacturer_Part_Number=THS4509RGTT, RefDes=RefDes, Supplier 1=Mouser, Type=DEV, Vendor="Texas Instruments"
OP3 OP4: "IC OPAMP 500MHZ DUAL FET 10DFN", Supplier Part Number 1=LTC6269HDD#PBF-ND, Series=LTC6269, Supplier 1=Digi-Key
Q1 Q5 Q33 Q37: "MOSFET Pch -100V Vds -25A 0.05Rds(on) 60Qg", Supplier Part Number 1=755-RSJ250P10FRATL, Series=RSJ250P10FRATL, Supplier 1=Mouser
Q2 Q4 Q9: "MOSFET Small Signal Dual N-CH 20V .3A .15W", Supplier Part Number 1=755-EM6K6T2R, Series=EM6K6T2R, Supplier 1=Mouser
Q3 Q6 Q7 Q13 Q14 Q15 Q16 Q17 Q18 Q20 Q21 Q22 Q23: "Bipolar Transistors - BJT Transistor for Low Freq. Amplification", Supplier Part Number 1=TMBT3906,LM, Series=TMBT3906, Supplier 1=Mouser
Q8 Q10 Q11 Q12: "P-Channel 30V 4A (Ta) 1.4W (Ta) Surface Mount SOT-23-3L", Supplier Part Number 1=785-1001-1-ND, Series=AO3401A, Supplier 1=Digi-key
Q19 Q24 Q25 Q26 Q27 Q28 Q29 Q30 Q31 Q32 Q34: "Bipolar Transistors - BJT NPN+NPN 30VCEO 1A SOT-363T", Supplier Part Number 1=755-US6X8TR, Series=US6X8TR, Supplier 1=Mouser
Q35 Q36: "Bipolar Transistors - BJT Bipolar Transistor SOT-563 SC-107C EMT6", Supplier Part Number 1=755-EMT52T2R, Series=EMT52T2R, Supplier 1=Mouser
Q38: "MOSFET 30V N-Ch PowerTrench SyncFET"
R1 R3 R5 R13 R102 R116 R125 R144: "Current Sense Resistors - SMD 1mOhm 8W 1% 50ppm AEC-Q200 Power Shunt", Resistance=.001R, Supplier Part Number 1=660-PSG4NTEB1L00F, Parameter 1=8W, Series=PSG4NTEB1L00F, Supplier 1=Mouser
R2 R4 R6 R14 R22 R26 R28 R30 R34: library part CMP-1012-00114-1, "47K 0.1W 5% 0603 (1608 Metric)  SMD", Case-EIA=0603, Case-Metric=1608, Power="0.1 W", Tolerance="5 %", Technology=SMT
R7: library part CMP-1012-00108-1, "27K 0.1W 5% 0603 (1608 Metric)  SMD", Case-EIA=0603, Case-Metric=1608, Power="0.1 W", Tolerance="5 %", Technology=SMT
R8 R9: library part CMP-1012-00107-1, "24K 0.1W 5% 0603 (1608 Metric)  SMD", Case-EIA=0603, Case-Metric=1608, Power="0.1 W", Tolerance="5 %", Technology=SMT